# KiCad board PSEC5_Ctrl_Board.kicad_pcb (continued)
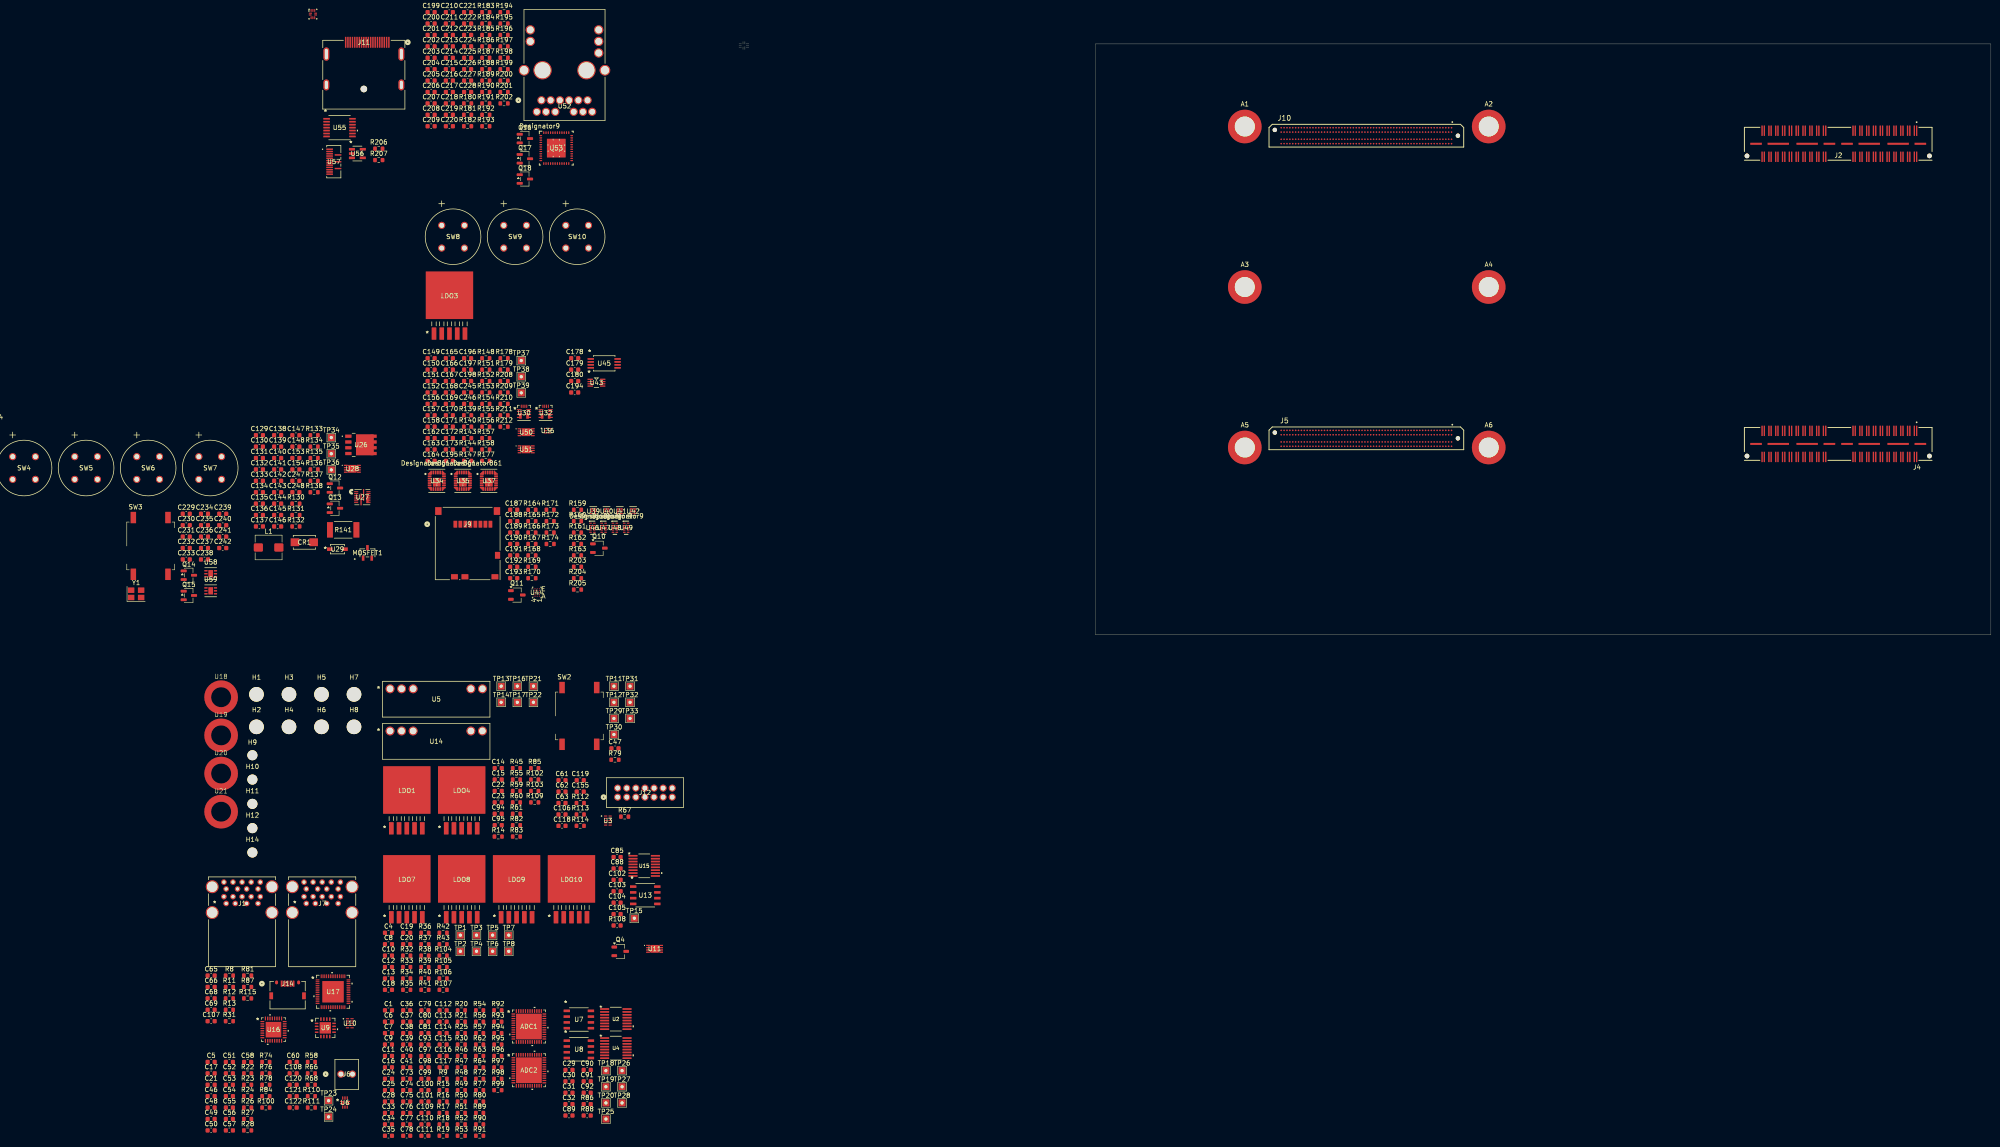
[diagram p0: board, top side]
## Placement (name value [footprint] x y rotation side) (continued)
R156  100k  [R_0603_1608Metric]  -134.05 45.78 0 top
R157  200k  [R_0603_1608Metric]  -134.05 43.27 0 top
R158  44,2k  [R_0603_1608Metric]  -134.05 40.76 0 top
R159  DNP  [R_0603_1608Metric]  -113.89 27.49 0 top
R160  DNP  [R_0603_1608Metric]  -113.89 24.98 0 top
R161  10k  [R_0603_1608Metric]  -113.89 22.47 0 top
R162  8.06k  [R_0603_1608Metric]  -113.89 19.96 0 top
R163  10k  [R_0603_1608Metric]  -113.89 17.45 0 top
R164  4.7k  [R_0603_1608Metric]  -123.91 27.49 0 top
R165  10k  [R_0603_1608Metric]  -123.91 24.98 0 top
R166  10k  [R_0603_1608Metric]  -123.91 22.47 0 top
R167  1k  [R_0603_1608Metric]  -123.91 19.96 0 top
R168  10k  [R_0603_1608Metric]  -123.91 17.45 0 top
R169  30R  [R_0603_1608Metric]  -123.91 14.94 0 top
R170  30R  [R_0603_1608Metric]  -123.91 12.43 0 top
R171  30R  [R_0603_1608Metric]  -119.9 27.49 0 top
R172  30R  [R_0603_1608Metric]  -119.9 24.98 0 top
R173  30R  [R_0603_1608Metric]  -119.9 22.47 0 top
R174  30R  [R_0603_1608Metric]  -119.9 19.96 0 top
R177  10k  [R_0603_1608Metric]  -134.05 38.25 0 top
R178  100k  [R_0603_1608Metric]  -130.04 60.84 0 top
R179  100k  [R_0603_1608Metric]  -130.04 58.33 0 top
R180  10k  [R_0603_1608Metric]  -138.06 116.93 0 top
R181  4.7k  [R_0603_1608Metric]  -138.06 114.42 0 top
R182  4.7k  [R_0603_1608Metric]  -138.06 111.91 0 top
R183  4.7k  [R_0603_1608Metric]  -134.05 137.01 0 top
R184  11k  [R_0603_1608Metric]  -134.05 134.5 0 top
R185  DNP  [R_0603_1608Metric]  -134.05 131.99 0 top
R186  DNP  [R_0603_1608Metric]  -134.05 129.48 0 top
R187  DNP  [R_0603_1608Metric]  -134.05 126.97 0 top
R188  DNP  [R_0603_1608Metric]  -134.05 124.46 0 top
R189  DNP  [R_0603_1608Metric]  -134.05 121.95 0 top
R190  5.76k  [R_0603_1608Metric]  -134.05 119.44 0 top
R191  DNP  [R_0603_1608Metric]  -134.05 116.93 0 top
R192  10k  [R_0603_1608Metric]  -134.05 114.42 0 top
R193  DNP  [R_0603_1608Metric]  -134.05 111.91 0 top
R194  DNP  [R_0603_1608Metric]  -130.04 137.01 0 top
R195  DNP  [R_0603_1608Metric]  -130.04 134.5 0 top
R196  DNP  [R_0603_1608Metric]  -130.04 131.99 0 top
R197  DNP  [R_0603_1608Metric]  -130.04 129.48 0 top
R198  2.49k  [R_0603_1608Metric]  -130.04 126.97 0 top
R199  DNP  [R_0603_1608Metric]  -130.04 124.46 0 top
R200  2.49k  [R_0603_1608Metric]  -130.04 121.95 0 top
R201  2.21k  [R_0603_1608Metric]  -130.04 119.44 0 top
R202  2.21k  [R_0603_1608Metric]  -130.04 116.93 0 top
R203  DNP  [R_0603_1608Metric]  -113.89 14.94 0 top
R204  10k  [R_0603_1608Metric]  -113.89 12.43 0 top
R205  3.01k  [R_0603_1608Metric]  -113.89 9.92 0 top
R206  1M  [R_0603_1608Metric]  -157.6 106.97 0 top
R207  1M  [R_0603_1608Metric]  -157.6 104.46 0 top
R208  26.1k  [R_0603_1608Metric]  -130.04 55.82 0 top
R209  10.0k  [R_0603_1608Metric]  -130.04 53.31 0 top
R210  10k  [R_0603_1608Metric]  -130.04 50.8 0 top
R211  100k  [R_0603_1608Metric]  -130.04 48.29 0 top
R212  100k  [R_0603_1608Metric]  -130.04 45.78 0 top
SW2  SW_MEC_5G  [SW_MEC_5GSH9]  -113.48 -17.89 0 top
SW3  SW_MEC_5G  [SW_MEC_5GSH9]  -207.77 19.53 0 top
SW4  D6R90F2LFS  [D6R90_CNK]  -238.12 39.18 0 top
SW5  D6R90F2LFS  [D6R90_CNK]  -224.48 39.18 0 top
SW6  D6R90F2LFS  [D6R90_CNK]  -210.83 39.18 0 top
SW7  D6R90F2LFS  [D6R90_CNK]  -197.18 39.18 0 top
SW8  D6R90F2LFS  [D6R90_CNK]  -143.76 90.09 0 top
SW9  D6R90F2LFS  [D6R90_CNK]  -130.12 90.09 0 top
SW10  D6R90F2LFS  [D6R90_CNK]  -116.47 90.09 0 top
TP1  GND  [TestPoint_THTPad_1.5x1.5mm_Drill0.7mm]  -139.66 -66.14 0 top
TP2  3V3_DUT  [TestPoint_THTPad_1.5x1.5mm_Drill0.7mm]  -139.66 -69.69 0 top
TP3  GND  [TestPoint_THTPad_1.5x1.5mm_Drill0.7mm]  -136.11 -66.14 0 top
TP4  2V5_DUT  [TestPoint_THTPad_1.5x1.5mm_Drill0.7mm]  -136.11 -69.69 0 top
TP5  GND  [TestPoint_THTPad_1.5x1.5mm_Drill0.7mm]  -132.56 -66.14 0 top
TP6  1V8_DUT  [TestPoint_THTPad_1.5x1.5mm_Drill0.7mm]  -132.56 -69.69 0 top
TP7  GND  [TestPoint_THTPad_1.5x1.5mm_Drill0.7mm]  -129.01 -66.14 0 top
TP8  1V2_DUT  [TestPoint_THTPad_1.5x1.5mm_Drill0.7mm]  -129.01 -69.69 0 top
TP11  SHUTDOWN  [TestPoint_THTPad_1.5x1.5mm_Drill0.7mm]  -105.88 -11.34 0 top
TP12  PS_ERROR_OUT_M2C  [TestPoint_THTPad_1.5x1.5mm_Drill0.7mm]  -105.88 -14.89 0 top
TP13  GND  [TestPoint_THTPad_1.5x1.5mm_Drill0.7mm]  -130.68 -11.34 0 top
TP14  1V8_Bank  [TestPoint_THTPad_1.5x1.5mm_Drill0.7mm]  -130.68 -14.89 0 top
TP15  SDO2  [TestPoint_THTPad_1.5x1.5mm_Drill0.7mm]  -101.4 -62.41 0 top
TP16  1V8_Bank  [TestPoint_THTPad_1.5x1.5mm_Drill0.7mm]  -127.13 -11.34 0 top
TP17  GND  [TestPoint_THTPad_1.5x1.5mm_Drill0.7mm]  -127.13 -14.89 0 top
TP18  DAC_THRES1_OUT  [TestPoint_THTPad_1.5x1.5mm_Drill0.7mm]  -107.64 -95.96 0 top
TP19  SDO2  [TestPoint_THTPad_1.5x1.5mm_Drill0.7mm]  -107.64 -99.51 0 top
TP20  SDO2  [TestPoint_THTPad_1.5x1.5mm_Drill0.7mm]  -107.64 -103.06 0 top
TP21  1V8_Bank  [TestPoint_THTPad_1.5x1.5mm_Drill0.7mm]  -123.58 -11.34 0 top
TP22  GND  [TestPoint_THTPad_1.5x1.5mm_Drill0.7mm]  -123.58 -14.89 0 top
TP23  12V_Jack  [TestPoint_THTPad_1.5x1.5mm_Drill0.7mm]  -168.64 -102.58 0 top
TP24  12V_IN  [TestPoint_THTPad_1.5x1.5mm_Drill0.7mm]  -168.64 -106.13 0 top
TP25  DAC_DISCBIAS_OUT  [TestPoint_THTPad_1.5x1.5mm_Drill0.7mm]  -107.64 -106.61 0 top
TP26  DAC_WBUFBIAS_OUT  [TestPoint_THTPad_1.5x1.5mm_Drill0.7mm]  -104.09 -95.96 0 top
TP27  DAC_READBIAS1_OUT  [TestPoint_THTPad_1.5x1.5mm_Drill0.7mm]  -104.09 -99.51 0 top
TP28  DAC_READBIAS2_OUT  [TestPoint_THTPad_1.5x1.5mm_Drill0.7mm]  -104.09 -103.06 0 top
TP29  PS_ERROR_STATUS_M2C  [TestPoint_THTPad_1.5x1.5mm_Drill0.7mm]  -105.88 -18.44 0 top
TP30  PWROFF_C2M_L  [TestPoint_THTPad_1.5x1.5mm_Drill0.7mm]  -105.88 -21.99 0 top
TP31  PWRGD_FPD_M2C  [TestPoint_THTPad_1.5x1.5mm_Drill0.7mm]  -102.33 -11.34 0 top
TP32  PWRGD_LPD_M2C  [TestPoint_THTPad_1.5x1.5mm_Drill0.7mm]  -102.33 -14.89 0 top
TP33  PWRGD_PL_M2C  [TestPoint_THTPad_1.5x1.5mm_Drill0.7mm]  -102.33 -18.44 0 top
TP34  5V0_IN  [TestPoint_THTPad_1.5x1.5mm_Drill0.7mm]  -168.04 43.38 0 top
TP35  UTIL_3V3  [TestPoint_THTPad_1.5x1.5mm_Drill0.7mm]  -168.04 39.83 0 top
TP36  5V0_SOM  [TestPoint_THTPad_1.5x1.5mm_Drill0.7mm]  -168.04 36.28 0 top
TP37  ETH_PGOOD  [TestPoint_THTPad_1.5x1.5mm_Drill0.7mm]  -126.26 60.32 0 top
TP38  CC_PL_PGOOD  [TestPoint_THTPad_1.5x1.5mm_Drill0.7mm]  -126.26 56.77 0 top
TP39  CC_PS_PGOOD  [TestPoint_THTPad_1.5x1.5mm_Drill0.7mm]  -126.26 53.22 0 top
U1  SN74AVC2T245RSWR  [RSW0010A]  -166 60.07 90 bottom
U2  LTC2600CGN_PBF  [SSOP-16_GN]  -105.46 -84.62 0 top
U3  PUSB3FR4Z  [U_PUSB3FR4Z_NEX]  -107.21 -40.92 0 top
U4  LTC2600CGN_PBF  [SSOP-16_GN]  -105.46 -91 0 top
U5  OKX-T/5-D12N-C  [OKX-T&slash_5-D12N-C_MUR]  -155.12 -11.92 0 top
U6  MP5016HGQH-Z  [QFN-10_MP5016H_MNP]  -165.03 -102.99 0 top
U7  MCP1501-25E/SN  [SOIC8_NARROW_SN_MCH]  -113.59 -84.71 0 top
U8  MCP1501-25E/SN  [SOIC8_NARROW_SN_MCH]  -113.59 -91.27 0 top
U9  FT230XQ-R  [QFN-16_FTD]  -169.36 -86.53 0 top
U10  PUSB3FR4Z  [U_PUSB3FR4Z_NEX]  -163.98 -85.53 0 top
U11  MP8904DD-LF-Z  [QFN8_MNP]  -96.94 -69.15 0 top
U13  MCP1501-25E/SN  [SOIC8_NARROW_SN_MCH]  -98.99 -57.36 0 top
U14  OKX-T/5-D12N-C  [OKX-T&slash_5-D12N-C_MUR]  -155.12 -21.2 0 top
U15  LTC2600CGN_PBF  [SSOP-16_GN]  -99.22 -50.89 0 top
U16  USB3320C-EZK-TR  [QFN32_5X5MC_MCH]  -180.76 -86.93 0 top
U17  USB5744/2G  [VQFN56_2G_MCH]  -167.67 -78.59 0 top
U18  ~  [9774050360R]  -192.28 -13.76 0 top
U19  ~  [9774050360R]  -192.28 -22.16 0 top
U20  ~  [9774050360R]  -192.28 -30.56 0 top
U21  ~  [9774050360R]  -192.28 -38.96 0 top
U26  CSD18532Q5B  [DNK8]  -161.53 41.77 0 top
U27  MP8772GQ-Z  [QFN-16_MP8772GQ-P_MNP]  -161.22 30.26 0 top
U28  MP8904DD-LF-Z  [QFN8_MNP]  -163.41 36.51 0 top
U29  MMSD4148T1G  [SOD-123_ONS]  -166.7 18.81 0 top
U30  MPM3810AGQB-AEC1-Z  [QFN-12_MPM3810_MNP]  -125.66 48.81 0 top
U32  MPM3810AGQB-AEC1-Z  [QFN-12_MPM3810_MNP]  -120.9 48.81 0 top
U34  TPSM82866AA0SRDJR  [RDJ0023A-SMD-MFG]  -144.84 33.87 0 top
U35  TPSM82866AA0SRDJR  [RDJ0023A-SMD-MFG]  -139.11 33.87 0 top
U36  NC7WZ07L6X  [MICROPAK6_1X1P45_ONS]  -120.47 44.89 0 top
U37  TPSM82866AA0SRDJR  [RDJ0023A-SMD-MFG]  -133.39 33.87 0 top
U39  TPD4S012DRYR  [DRY6]  -110.43 27.16 0 top
U40  TPD4S012DRYR  [DRY6]  -107.51 27.16 0 top
U41  TPD4S012DRYR  [DRY6]  -104.59 27.16 0 top
U42  TPD4S012DRYR  [DRY6]  -101.67 27.16 0 top
U43  PCA9306DCUR  [DCU8]  -109.72 55.46 0 top
U44  PI4ULS3V4857GEAEX  [BGA20_WLCSP_PI4ULS3V4857_DIO]  -122.85 9.28 0 top
U45  M24C64-DRDW8TP/K  [TSSOP8_4P5X3P1X0P65_STM]  -108.02 59.71 0 top  (not fitted)
U46  TPD4E05U06DQAR  [DQA0010A]  -110.61 23.53 0 top
U47  TPD4E05U06DQAR  [DQA0010A]  -108.14 23.53 0 top
U48  TPD4E05U06DQAR  [DQA0010A]  -105.66 23.53 0 top
U49  TPD4E05U06DQAR  [DQA0010A]  -103.19 23.53 0 top
U50  MP8904DD-LF-Z  [QFN8_MNP]  -125.18 44.56 0 top
U51  MP8904DD-LF-Z  [QFN8_MNP]  -125.18 40.79 0 top
U52  L829-1J1T-43  [L829-1J1T-43_BEL]  -121.82 117.62 0 top
U53  DP83867CRRGZR  [RGZ0048B]  -118.56 107.09 0 top
U54  SN74AVC2T245RSWR  [RSW0010A]  -241.7 47.89 0 top
U55  FIN1019MTCX  [TSSOP14_4P4X5_ONS]  -166.23 111.6 0 top
U56  STMPS2151STR  [SOT23-5L_STM]  -162.31 105.89 0 top
U57  TPD8S009DSMR  [DSM15_X]  -167.49 104.09 0 top
U58  TPS3808G01QDRVRQ1  [DRV6_1P6X1]  -194.57 13.42 0 top
U59  TPS3808G01QDRVRQ1  [DRV6_1P6X1]  -194.57 9.65 0 top
Y1  ABM8AIG-27.000MHZ-12-2Z-T3  [Crystal_SMD_Abracon_ABM8AIG-4Pin_3.2x2.5mm]  -210.97 8.98 0 top

## Library data of the parts
A1-A6 = -: Datasheet: https://www.we-online.com/catalog/datasheet/9774050960R.pdf?ki; Description: SMT Steel Spacer with through hole Ø 3.3; Manufacturer: Wurth Elektronik; Manufacturer URL: https://www.we-online.com; Created Date: 20251217; Series: WA-SMST; Mounting Technology: SMT; L (mm): 5.0; Ø f (mm): 3.3; Ø ID (mm): 4.2; Ø OD (mm): 6.0; ki_fp_filters: *WA-SMST*9774050960R*
ADC1 ADC2 = -: ki_fp_filters: CP_48_8_ADI CP_48_8_ADI-M CP_48_8_ADI-L
C1 C4-C25 C28-C32 C41 C46-C58 C60-C63 C73-C81 C85 C88 C89 C91-C95 C97-C103 C105 C106 C108-C122 C129-C158 C162-C173 C178-C180 C187-C242 C245-C248 = -: Description: Unpolarized capacitor, small symbol; KiLib_Generator: SMD_2terminal_chip_molded; ki_fp_filters: C_*
C33-C40 C65 C66 C68 C69 C90 C104 C107 = -: Description: Unpolarized capacitor; KiLib_Generator: SMD_2terminal_chip_molded; ki_fp_filters: C_*
CR1 = -: ki_fp_filters: DO214AC_LTF DO214AC_LTF-M DO214AC_LTF-L
H1-H12 H14 = -: Description: Mounting Hole without connection; KiLib_Generator: mounting_hardware/mounting_hole; ki_fp_filters: MountingHole*
J1 J7 = -: ki_fp_filters: GSB311231HR_AMP
J2 J4 = -: PARTREV: M; STANDARD: Manufacturer Recommendations; MAXIMUM_PACKAGE_HEIGHT: 3.327mm; MANUFACTURER: Samtec
J5 J10 = -: PARTREV: 7; MANUFACTURER: Samtec; MAXIMUM_PACKAGE_HEIGHT: 4.1mm; STANDARD: Manufacturer Recommendations
J6 = -: Datasheet: https://www.molex.com/en-us/products/part-detail-pdf/22112022?display=pdf; ki_fp_filters: CONN_A-6373-02A_MOL
J9 = -: Datasheet: https://www.molex.com/en-us/products/part-detail-pdf/5025700893?display=pdf; ki_fp_filters: 502570-0893_MOL
J11 = -: Datasheet: https://www.molex.com/en-us/products/part-detail-pdf/472720001?display=pdf; ki_fp_filters: CONN_47272-0001_MOL
J12 = -: ki_fp_filters: CONN_87831-1420_MOL
J14 = -: ki_fp_filters: ZX62D-B-5P830_HIR
L1 = -: Description: Inductor; KiLib_Generator: inductor/SMD; ki_fp_filters: Choke_* *Coil* Inductor_* L_*
LDO1 LDO3 LDO4 LDO7-LDO10 = -: ki_fp_filters: TS5B TS5B-M TS5B-L
MOSFET1 = -: ki_fp_filters: SOT23_527AG_ONS SOT23_527AG_ONS-M SOT23_527AG_ONS-L
Q4 Q10 Q11 = -: Datasheet: https://ngspice.sourceforge.io/docs/ngspice-html-manual/manual.xhtml#cha_MOSFETs; Description: N-MOSFET transistor, drain/source/gate; Sim.Device: NMOS; Sim.Type: VDMOS; Sim.Pins: 1=D 2=G 3=S
Q12-Q18 = -: Description: N-MOSFET transistor, gate/source/drain; KiLib_Generator: package/gullwing
R8 R9 R11-R28 R30 R32-R43 R45-R55 R58-R64 R66-R68 R72 R74 R76-R80 R82-R85 R89-R100 R102-R107 R109-R115 R130-R140 R143 R144 R147 R148 R151-R174 R177-R212 = -: Description: Resistor, small US symbol; KiLib_Generator: SMD_2terminal_chip_molded; ki_fp_filters: R_*
R31 R56 R57 R81 R86-R88 R108 = -: Description: Resistor, US symbol; KiLib_Generator: SMD_2terminal_chip_molded; ki_fp_filters: R_*
R141 = -: Description: Resistor, small US symbol; ki_fp_filters: R_*
SW2 SW3 = -: Datasheet: http://www.apem.com/int/index.php?controller=attachment&id_attachment=488; Description: MEC 5G single pole normally-open tactile switch; ki_fp_filters: SW*MEC*5G*
SW4-SW10 = -: ki_fp_filters: D6R90_CNK
TP1-TP8 TP11-TP39 = -: Description: test point; ki_fp_filters: Pin* Test*
U1 U54 = -: Datasheet: https://www.ti.com/lit/gpn/sn74avc2t245; ki_fp_filters: RSW0010A
U2 U4 U15 = -: MF: Analog Devices; VENDOR: Linear Technology; Description_1: Linear Technology Ltc2600cgn#Pbf / Ic Dac Octal r-r 16bit 16ssop; Package: SSOP-16 Linear Technology; Price: None; Check_prices: https://www.snapeda.com/parts/LTC2600CGN%23PBF/Analog+Devices/view-part/?ref=eda; SnapEDA_Link: https://www.snapeda.com/parts/LTC2600CGN%23PBF/Analog+Devices/view-part/?ref=snap; MP: LTC2600CGN#PBF; Availability: In Stock; MANUFACTURER_PART_NUMBER: ltc2600cgn
U3 U10 = -: ki_fp_filters: U_PUSB3FR4Z_NEX U_PUSB3FR4Z_NEX-M U_PUSB3FR4Z_NEX-L
U5 U14 = -: ki_fp_filters: OKX-T/5-D12N-C_MUR
U6 = -: Datasheet: https://www.monolithicpower.com/en/documentview/productdocument/index/version/2/document_type/Datasheet/lang/en/sku/MP5016HGQH-Z; ki_fp_filters: QFN-10_MP5016H_MNP
U7 U8 U13 = -: ki_fp_filters: SOIC8_NARROW_SN_MCH SOIC8_NARROW_SN_MCH-M SOIC8_NARROW_SN_MCH-L
U9 = -: ki_fp_filters: QFN-16_FTD QFN-16_FTD-M QFN-16_FTD-L
U11 U28 U50 U51 = -: Datasheet: https://www.monolithicpower.com/en/documentview/productdocument/index/version/2/document_type/Datasheet/lang/en/sku/MP8904DD; ki_fp_filters: QFN8_MNP QFN8_MNP-M QFN8_MNP-L
U16 = -: ki_fp_filters: QFN32_5X5MC_MCH QFN32_5X5MC_MCH-M QFN32_5X5MC_MCH-L
U17 = -: ki_fp_filters: VQFN56_2G_MCH VQFN56_2G_MCH-M VQFN56_2G_MCH-L
U26 = -: Datasheet: https://www.ti.com/lit/gpn/csd18532q5b; ki_fp_filters: DNK8
U27 = -: Datasheet: https://www.monolithicpower.com/en/documentview/productdocument/index/version/2/document_type/Datasheet/lang/en/sku/MP8772GQ; ki_fp_filters: QFN-16_MP8772GQ-P_MNP
U29 = -: ki_fp_filters: SOD-123_ONS SOD-123_ONS-M SOD-123_ONS-L
U30 U32 = -: Datasheet: https://www.monolithicpower.com/en/documentview/productdocument/index/version/2/document_type/Datasheet/lang/en/sku/MPM3810AGQB-AEC1; ki_fp_filters: QFN-12_MPM3810_MNP
U34 U35 U37 = -: Datasheet: https://www.ti.com/lit/gpn/tpsm82866a; ki_fp_filters: RDJ0023A-MFG RDJ0023A-SMD-MFG
U36 = -: ki_fp_filters: MICROPAK6_1X1P45_ONS MICROPAK6_1X1P45_ONS-M MICROPAK6_1X1P45_ONS-L
U39-U42 = -: Datasheet: https://www.ti.com/lit/gpn/tpd4s012; ki_fp_filters: DRY6
U43 = -: Datasheet: https://www.ti.com/lit/gpn/pca9306; ki_fp_filters: DCU8 DCU8-M DCU8-L
U44 = -: ki_fp_filters: BGA20_WLCSP_PI4ULS3V4857_DIO BGA20_WLCSP_PI4ULS3V4857_DIO-M BGA20_WLCSP_PI4ULS3V4857_DIO-L
U45 = -: Datasheet: https://www.st.com/resource/en/datasheet/m24c64-dre.pdf; ki_fp_filters: TSSOP8_4P5X3P1X0P65_STM TSSOP8_4P5X3P1X0P65_STM-M TSSOP8_4P5X3P1X0P65_STM-L
U46-U49 = -: Datasheet: https://www.ti.com/lit/gpn/tpd4e05u06; ki_fp_filters: DQA0010A
U52 = -: ki_fp_filters: L829-1J1T-43_BEL
U53 = -: Datasheet: https://www.ti.com/lit/gpn/dp83867cr; ki_fp_filters: RGZ0048B RGZ0048B_NV
U55 = -: ki_fp_filters: TSSOP14_4P4X5_ONS TSSOP14_4P4X5_ONS-M TSSOP14_4P4X5_ONS-L
U56 = -: Datasheet: https://www.st.com/resource/en/datasheet/stmps2141.pdf; ki_fp_filters: SOT23-5L_STM SOT23-5L_STM-M SOT23-5L_STM-L
U57 = -: Datasheet: https://www.ti.com/lit/gpn/tpd8s009; ki_fp_filters: DSM15_X
U58 U59 = -: ki_fp_filters: DRV6_1P6X1
Y1 = -: PARTREV: 43629; STANDARD: Manufacturer Recommendations; MAXIMUM_PACKAGE_HEIGHT: 0.8 mm; MANUFACTURER: Abracon

## Footprints (pads in the part's own frame, mm; a bottom-side part is the same pattern mirrored in y, then rotated)
502570-0893_MOL
  rect 0.813x1.499 smd: 1(-2.7,4.249) 2(-1.6,4.249) 3(-0.5,4.249) 4(0.6,4.249) 5(1.7,4.249) 6(2.8,4.249) 7(3.9,4.249) 8(5,4.249)
  rect 1.143x1.499 smd: 9(6.575,-2.601)
  rect 1.499x1.143 smd: 10(-0.6,-7.326) 13(-2.9,-7.326) 14(6,-7.326)
  rect 1.397x1.702 smd: 11(-6.45,7.149) 12(6.45,7.149)
A_Wurth_WA-SMST_9774050960R
  round 4.4 hole 4.4 unplated: (0,0)
  rrect 7.4x7.4 smd: 1(0,0)
BGA20_WLCSP_PI4ULS3V4857_DIO
  round 0.203 smd: A1(0.6,-0.8) A2(0.2,-0.8) A3(-0.2,-0.8) A4(-0.6,-0.8) B1(0.6,-0.4) B2(0.2,-0.4) B3(-0.2,-0.4) B4(-0.6,-0.4) C1(0.6,0) C2(0.2,0) C3(-0.2,0) C4(-0.6,0) D1(0.6,0.4) D2(0.2,0.4) D3(-0.2,0.4) D4(-0.6,0.4) E1(0.6,0.8) E2(0.2,0.8) E3(-0.2,0.8) E4(-0.6,0.8)
C_0603_1608Metric
  rrect 0.9x0.95 smd: 1(-0.775,0) 2(0.775,0)
CONN_47272-0001_MOL
  oval 1.27x2.921 hole 0.66x2.311 unplated: (-8.25,-9.732) (8.25,-9.732)
  oval 1.27x2.413 hole 0.66x1.803 unplated: (-8.25,-16.512) (8.25,-16.512)
  round 1.448 hole 1.448 unplated: (0,-17.412)
  rect 0.305x2.388 smd: 1(5.5,-7.132) 2(5,-7.132) 3(4.5,-7.132) 4(4,-7.132) 5(3.5,-7.132) 6(3,-7.132) 7(2.5,-7.132) 8(2,-7.132) 9(1.5,-7.132) 10(1,-7.132) 11(0.5,-7.132) 12(0,-7.132) 13(-0.5,-7.132) 14(-1,-7.132) 15(-1.5,-7.132) 16(-2,-7.132) 17(-2.5,-7.132) 18(-3,-7.132) 19(-3.5,-7.132) 20(-4,-7.132)
CONN_87831-1420_MOL
  round 1.549 hole 1.041: 1(0,0) 2(0,2) 3(2,0) 4(2,2) 5(4,0) 6(4,2) 7(6,0) 8(6,2) 9(8,0) 10(8,2) 11(10,0) 12(10,2) 13(12,0) 14(12,2)
CONN_A-6373-02A_MOL
  round 1.575 hole 1.067: 1(0,0) 2(2.54,0)
CP_48_8_ADI
  rect 0.813x0.254 smd: 1(-3.404,2.75) 2(-3.404,2.25) 3(-3.404,1.75) 4(-3.404,1.25) 5(-3.404,0.75) 6(-3.404,0.25) 7(-3.404,-0.25) 8(-3.404,-0.75) 9(-3.404,-1.25) 10(-3.404,-1.75) 11(-3.404,-2.25) 12(-3.404,-2.75) 25(3.404,-2.75) 26(3.404,-2.25) 27(3.404,-1.75) 28(3.404,-1.25) 29(3.404,-0.75) 30(3.404,-0.25) 31(3.404,0.25) 32(3.404,0.75) 33(3.404,1.25) 34(3.404,1.75) 35(3.404,2.25) 36(3.404,2.75)
  rect 0.254x0.813 smd: 13(-2.75,-3.404) 14(-2.25,-3.404) 15(-1.75,-3.404) 16(-1.25,-3.404) 17(-0.75,-3.404) 18(-0.25,-3.404) 19(0.25,-3.404) 20(0.75,-3.404) 21(1.25,-3.404) 22(1.75,-3.404) 23(2.25,-3.404) 24(2.75,-3.404) 37(2.75,3.404) 38(2.25,3.404) 39(1.75,3.404) 40(1.25,3.404) 41(0.75,3.404) 42(0.25,3.404) 43(-0.25,3.404) 44(-0.75,3.404) 45(-1.25,3.404) 46(-1.75,3.404) 47(-2.25,3.404) 48(-2.75,3.404)
  rect 5.639x5.639 smd: 49(0,0)
Crystal_SMD_Abracon_ABM8AIG-4Pin_3.2x2.5mm
  rect 1.4x1.2 smd: 1(-1.1,-0.8) 2(1.1,-0.8) 3(1.1,0.8) 4(-1.1,0.8)
D6R90_CNK
  round 1.575 hole 1.067: 1(0,0) 2(5,0) 3(5,-5) 4(0,-5)
DCU8
  rect 1.168x0.254 smd: 1(-1.372,0.75) 2(-1.372,0.25) 3(-1.372,-0.25) 4(-1.372,-0.75) 5(1.372,-0.75) 6(1.372,-0.25) 7(1.372,0.25) 8(1.372,0.75)
DNK8
  rect 1.372x0.71 smd: 1(-2.77,1.905) 2(-2.77,0.635) 3(-2.77,-0.635) 4(-2.77,-1.905) 5(2.77,-1.905) 6(2.77,-0.635) 7(2.77,0.635) 8(2.77,1.905)
DO214AC_LTF
  rect 1.88x1.702 smd: 1(-2.057,0) 2(2.057,0)
DQA0010A
  rect 0.55x0.2 smd: 1(-0.425,1) 2(-0.425,0.5) 4(-0.425,-0.5) 5(-0.425,-1) 6(0.425,-1) 7(0.425,-0.5) 9(0.425,0.5) 10(0.425,1)
  rect 0.55x0.4 smd: 3(-0.425,0) 8(0.425,0)
DRV6_1P6X1
  rect 0.7x0.3 smd: 1(-1.05,0.65) 2(-1.05,0) 3(-1.05,-0.65) 4(1.05,-0.65) 5(1.05,0) 6(1.05,0.65)
  rect 1.016x1.6 smd: 7(0,0)
DRY6
  rect 0.55x0.3 smd: 1(-0.355,0.5)
  rect 0.52x0.3 smd: 2(-0.37,0) 3(-0.37,-0.5) 4(0.37,-0.5) 5(0.37,0) 6(0.37,0.5)
DSM15_X
  rect 1.45x0.3 smd: 1(-0.925,2.75) 2(-0.925,2.25) 3(-0.925,1.75) 4(-0.925,1.25) 5(-0.925,0.75) 6(-0.925,0.25) 7(-0.925,-0.25) 8(-0.925,-0.75) 9(-0.925,-1.25) 10(-0.925,-1.75) 11(-0.925,-2.25) 12(-0.925,-2.75) 13(0.925,-1.5) 14(0.925,0) 15(0.925,1.5)
GSB311231HR_AMP
  round 1.219 hole 0.711: 1(0,0) 2(2,0) 3(4.5,0) 4(7,0) 5(7.5,1.5) 6(5.5,1.5) 7(3.5,1.5) 8(1.5,1.5) 9(-0.5,1.5) 10(0,3.2) 11(2.5,3.2) 12(4.5,3.2) 13(7,3.2) 14(7.5,4.7) 15(5.5,4.7) 16(3.5,4.7) 17(1.5,4.7) 18(-0.5,4.7)
  round 2.819 hole 2.311: 19(-3.07,-2) 20(10.07,-2) 21(-3.07,3.68) 22(10.07,3.68)
L829-1J1T-43_BEL
  round 1.778 hole 1.27: 1(0,0) 2(2.03,0) 3(4.06,0) 4(6.09,0) 5(8.12,0) 6(10.15,0) 7(-1.016,-2.54) 8(1.014,-2.54) 9(3.044,-2.54) 10(7.104,-2.54) 11(9.134,-2.54) 12(11.164,-2.54)
  round 2.032 hole 1.524: 13(-2.444,12.954) 14(-2.444,15.494) 15(12.592,10.414) 16(12.592,12.954) 17(12.592,15.494)
  round 4.013 hole 3.505: 18(0.248,6.604) 19(9.9,6.604)
  round 2.337 hole 1.829: 20(-3.816,6.604) 21(13.964,6.604)
L_Bourns_SRP5030T
  rrect 2x1.8 smd: 1(-2.25,0) 2(2.25,0)
MICROPAK6_1X1P45_ONS
  rect 0.711x0.203 smd: 1(-0.445,0.5) 2(-0.445,0) 3(-0.445,-0.5) 4(0.445,-0.5) 5(0.445,0) 6(0.445,0.5)
MountingHole_2.2mm_M2_DIN965
  round 2.2 hole 2.2 unplated: (0,0)
MountingHole_3.2mm_M3_DIN965
  round 3.2 hole 3.2 unplated: (0,0)
OKX-T&slash_5-D12N-C_MUR
  round 1.956 hole 1.448: 1(0,0) 2(2.54,0) 3(5.08,0) 4(17.78,0) 5(20.32,0)
QFN8_MNP
  rect 0.813x0.254 smd: 1(-1.448,0.75) 2(-1.448,0.25) 3(-1.448,-0.25) 4(-1.448,-0.75) 5(1.448,-0.75) 6(1.448,-0.25) 7(1.448,0.25) 8(1.448,0.75)
  rect 1.854x1.702 smd: 9(0,0)
QFN32_5X5MC_MCH
  rect 0.813x0.254 smd: 1(-2.451,1.778) 2(-2.451,1.27) 3(-2.451,0.762) 4(-2.451,0.254) 5(-2.451,-0.254) 6(-2.451,-0.762) 7(-2.451,-1.27) 8(-2.451,-1.778) 17(2.451,-1.778) 18(2.451,-1.27) 19(2.451,-0.762) 20(2.451,-0.254) 21(2.451,0.254) 22(2.451,0.762) 23(2.451,1.27) 24(2.451,1.778)
  rect 0.254x0.813 smd: 9(-1.778,-2.451) 10(-1.27,-2.451) 11(-0.762,-2.451) 12(-0.254,-2.451) 13(0.254,-2.451) 14(0.762,-2.451) 15(1.27,-2.451) 16(1.778,-2.451) 25(1.778,2.451) 26(1.27,2.451) 27(0.762,2.451) 28(0.254,2.451) 29(-0.254,2.451) 30(-0.762,2.451) 31(-1.27,2.451) 32(-1.778,2.451)
  rect 3.404x3.404 smd: 33(0,0)
QFN-10_MP5016H_MNP
  rect 0.127x0.127 smd: 1(-0.65,0.25) 2(-0.65,-0.25) 6(0.65,-0.25) 7(0.65,0.25)
  rect 0.25x0.7 smd: 3(-0.5,-1) 4(0,-1) 5(0.5,-1) 8(0.5,1) 9(0,1) 10(-0.5,1)
QFN-12_MPM3810_MNP
  rect 0.127x0.127 smd: 1(-1.025,0.7) 3(-1.025,-0.35) 4(-1.025,-1) 5(1.025,-1) 6(1.025,-0.35)
  rect 1.05x0.2 smd: 2(-1.025,0.3) 7(1.025,0.3) 8(1.025,0.7)
  rect 0.2x0.7 smd: 9(0.6,1.45) 10(0.2,1.45) 11(-0.2,1.45) 12(-0.6,1.45)
QFN-16_FTD
  rect 0.762x0.305 smd: 1(-1.918,0.975) 2(-1.918,0.325) 3(-1.918,-0.325) 4(-1.918,-0.975) 9(1.918,-0.975) 10(1.918,-0.325) 11(1.918,0.325) 12(1.918,0.975)
  rect 0.305x0.762 smd: 5(-0.975,-1.918) 6(-0.325,-1.918) 7(0.325,-1.918) 8(0.975,-1.918) 13(0.975,1.918) 14(0.325,1.918) 15(-0.325,1.918) 16(-0.975,1.918)
  rect 2.489x2.489 smd: 17(0,0)
QFN-16_MP8772GQ-P_MNP
  rect 0.889x0.203 smd: 1(-1.35,1.2) 2(-1.35,0.8) 3(-1.35,0.4) 4(-1.35,0) 5(-1.35,-0.4) 6(-1.35,-0.8) 7(-1.35,-1.2) 9(1.35,-1.2) 10(1.35,-0.8) 11(1.35,-0.4) 12(1.35,0) 13(1.35,0.4) 14(1.35,0.8) 15(1.35,1.2)
  rect 0.254x2.591 smd: 8(-0.275,-0.495) 16(0.275,0.495)
R_0603_1608Metric
  rrect 0.8x0.95 smd: 1(-0.825,0) 2(0.825,0)
RDJ0023A-SMD-MFG
  round 0.506 smd: 1(-1.356,1.606) 7(-1.356,-1.606) 12(1.356,-1.606) 18(1.356,1.606)
  rect 0.8x0.35 smd: 2(-1.575,1) 3(-1.575,0.5) 4(-1.575,0) 5(-1.575,-0.5) 6(-1.575,-1) 13(1.575,-1) 14(1.575,-0.5) 15(1.575,0) 16(1.575,0.5) 17(1.575,1)
  rect 0.35x0.8 smd: 8(-0.75,-1.825) 9(-0.25,-1.825) 10(0.25,-1.825) 11(0.75,-1.825) 19(0.75,1.825) 20(0.25,1.825) 21(-0.25,1.825) 22(-0.75,1.825)
  rect 1.7x1.9 smd: 23(0,-0.3)
  round 0.5 hole 0.203: 24(0,0.35) 25(0,-0.95) 26(-0.55,-0.3) 27(0.55,-0.3)
RES_HCJ2512_STP
  rect 1.295x3.404 smd: 1(-2.908,0) 2(2.908,0)
RGZ0048B
  oval 0.6x0.24 smd: 1(-3.4,2.75) 2(-3.4,2.25) 3(-3.4,1.75) 4(-3.4,1.25) 5(-3.4,0.75) 6(-3.4,0.25) 7(-3.4,-0.25) 8(-3.4,-0.75) 9(-3.4,-1.25) 10(-3.4,-1.75) 11(-3.4,-2.25) 12(-3.4,-2.75) 25(3.4,-2.75) 26(3.4,-2.25) 27(3.4,-1.75) 28(3.4,-1.25) 29(3.4,-0.75) 30(3.4,-0.25) 31(3.4,0.25) 32(3.4,0.75) 33(3.4,1.25) 34(3.4,1.75) 35(3.4,2.25) 36(3.4,2.75)
  oval 0.24x0.6 smd: 13(-2.75,-3.4) 14(-2.25,-3.4) 15(-1.75,-3.4) 16(-1.25,-3.4) 17(-0.75,-3.4) 18(-0.25,-3.4) 19(0.25,-3.4) 20(0.75,-3.4) 21(1.25,-3.4) 22(1.75,-3.4) 23(2.25,-3.4) 24(2.75,-3.4) 37(2.75,3.4) 38(2.25,3.4) 39(1.75,3.4) 40(1.25,3.4) 41(0.75,3.4) 42(0.25,3.4) 43(-0.25,3.4) 44(-0.75,3.4) 45(-1.25,3.4) 46(-1.75,3.4) 47(-2.25,3.4) 48(-2.75,3.4)
  rect 4.1x4.1 smd: 49(0,0)
  round 0.5 hole 0.203: V(-1.8,0.678) V(-1.8,-0.678) V(-0.678,1.8) V(-0.678,0.678) V(-0.678,-0.678) V(-0.678,-1.8) V(0.678,1.8) V(0.678,0.678) V(0.678,-0.678) V(0.678,-1.8) V(1.8,0.678) V(1.8,-0.678)
RSW0010A
  rect 0.7x0.2 smd: 1(69.062,88.894)
  rect 0.6x0.2 smd: 2(69.012,88.494) 6(70.212,88.494) 7(70.212,88.894)
  rect 0.2x0.6 smd: 3(69.212,87.894) 4(69.612,87.894) 5(70.012,87.894) 8(70.012,89.494) 9(69.612,89.494) 10(69.212,89.494)
SAMTEC_ADM6-60-01.5-L-4-2-A-TR
  round 0.95 hole 0.95 unplated: (-20.135,1.27) (20.135,0)
  round 0.356 smd: A01(18.733,1.75) A02(18.098,1.75) A03(17.462,1.75) A04(16.828,1.75) A05(16.192,1.75) A06(15.557,1.75) A07(14.922,1.75) A08(14.287,1.75) A09(13.652,1.75) A10(13.018,1.75) A11(12.383,1.75) A12(11.748,1.75) A13(11.113,1.75) A14(10.477,1.75) A15(9.842,1.75) A16(9.207,1.75) A17(8.572,1.75) A18(7.938,1.75) A19(7.303,1.75) A20(6.668,1.75) A21(6.032,1.75) A22(5.397,1.75) A23(4.763,1.75) A24(4.128,1.75) A25(3.493,1.75) A26(2.857,1.75) A27(2.223,1.75) A28(1.587,1.75) A29(0.953,1.75) A30(0.318,1.75) A31(-0.318,1.75) A32(-0.953,1.75) A33(-1.587,1.75) A34(-2.223,1.75) A35(-2.857,1.75) A36(-3.493,1.75) A37(-4.128,1.75) A38(-4.763,1.75) A39(-5.397,1.75) A40(-6.032,1.75) A41(-6.668,1.75) A42(-7.303,1.75) A43(-7.938,1.75) A44(-8.572,1.75) A45(-9.207,1.75) A46(-9.842,1.75) A47(-10.477,1.75) A48(-11.113,1.75) A49(-11.748,1.75) A50(-12.383,1.75) A51(-13.018,1.75) A52(-13.652,1.75) A53(-14.287,1.75) A54(-14.922,1.75) A55(-15.557,1.75) A56(-16.192,1.75) A57(-16.828,1.75) A58(-17.462,1.75) A59(-18.098,1.75) A60(-18.733,1.75) B01(18.733,0.79) B02(18.098,0.79) B03(17.462,0.79) B04(16.828,0.79) B05(16.192,0.79) B06(15.557,0.79) B07(14.922,0.79) B08(14.287,0.79) B09(13.652,0.79) B10(13.018,0.79) B11(12.383,0.79) B12(11.748,0.79) B13(11.113,0.79) B14(10.477,0.79) B15(9.842,0.79) B16(9.207,0.79) B17(8.572,0.79) B18(7.938,0.79) B19(7.303,0.79) B20(6.668,0.79) B21(6.032,0.79) B22(5.397,0.79) B23(4.763,0.79) B24(4.128,0.79) B25(3.493,0.79) B26(2.857,0.79) B27(2.223,0.79) B28(1.587,0.79) B29(0.953,0.79) B30(0.318,0.79) B31(-0.318,0.79) B32(-0.953,0.79) B33(-1.587,0.79) B34(-2.223,0.79) B35(-2.857,0.79) B36(-3.493,0.79) B37(-4.128,0.79) B38(-4.763,0.79) B39(-5.397,0.79) B40(-6.032,0.79) B41(-6.668,0.79) B42(-7.303,0.79) B43(-7.938,0.79) B44(-8.572,0.79) B45(-9.207,0.79) B46(-9.842,0.79) B47(-10.477,0.79) B48(-11.113,0.79) B49(-11.748,0.79) B50(-12.383,0.79) B51(-13.018,0.79) B52(-13.652,0.79) B53(-14.287,0.79) B54(-14.922,0.79) B55(-15.557,0.79) B56(-16.192,0.79) B57(-16.828,0.79) B58(-17.462,0.79) B59(-18.098,0.79) B60(-18.733,0.79) C01(18.733,-0.79) C02(18.098,-0.79) C03(17.462,-0.79) C04(16.828,-0.79) C05(16.192,-0.79) C06(15.557,-0.79) C07(14.922,-0.79) C08(14.287,-0.79) C09(13.652,-0.79) C10(13.018,-0.79) C11(12.383,-0.79) C12(11.748,-0.79) C13(11.113,-0.79) C14(10.477,-0.79) C15(9.842,-0.79) C16(9.207,-0.79) C17(8.572,-0.79) C18(7.938,-0.79) C19(7.303,-0.79) C20(6.668,-0.79) C21(6.032,-0.79) C22(5.397,-0.79) C23(4.763,-0.79) C24(4.128,-0.79) C25(3.493,-0.79) C26(2.857,-0.79) C27(2.223,-0.79) C28(1.587,-0.79) C29(0.953,-0.79) C30(0.318,-0.79) C31(-0.318,-0.79) C32(-0.953,-0.79) C33(-1.587,-0.79) C34(-2.223,-0.79) C35(-2.857,-0.79) C36(-3.493,-0.79) C37(-4.128,-0.79) C38(-4.763,-0.79) C39(-5.397,-0.79) C40(-6.032,-0.79) C41(-6.668,-0.79) C42(-7.303,-0.79) C43(-7.938,-0.79) C44(-8.572,-0.79) C45(-9.207,-0.79) C46(-9.842,-0.79) C47(-10.477,-0.79) C48(-11.113,-0.79) C49(-11.748,-0.79) C50(-12.383,-0.79) C51(-13.018,-0.79) C52(-13.652,-0.79) C53(-14.287,-0.79) C54(-14.922,-0.79) C55(-15.557,-0.79) C56(-16.192,-0.79) C57(-16.828,-0.79) C58(-17.462,-0.79) C59(-18.098,-0.79) C60(-18.733,-0.79) D01(18.733,-1.75) D02(18.098,-1.75) D03(17.462,-1.75) D04(16.828,-1.75) D05(16.192,-1.75) D06(15.557,-1.75) D07(14.922,-1.75) D08(14.287,-1.75) D09(13.652,-1.75) D10(13.018,-1.75) D11(12.383,-1.75) D12(11.748,-1.75) D13(11.113,-1.75) D14(10.477,-1.75) D15(9.842,-1.75) D16(9.207,-1.75) D17(8.572,-1.75) D18(7.938,-1.75) D19(7.303,-1.75) D20(6.668,-1.75) D21(6.032,-1.75) D22(5.397,-1.75) D23(4.763,-1.75) D24(4.128,-1.75) D25(3.493,-1.75) D26(2.857,-1.75) D27(2.223,-1.75) D28(1.587,-1.75) D29(0.953,-1.75) D30(0.318,-1.75) D31(-0.318,-1.75) D32(-0.953,-1.75) D33(-1.587,-1.75) D34(-2.223,-1.75) D35(-2.857,-1.75) D36(-3.493,-1.75) D37(-4.128,-1.75) D38(-4.763,-1.75) D39(-5.397,-1.75) D40(-6.032,-1.75) D41(-6.668,-1.75) D42(-7.303,-1.75) D43(-7.938,-1.75) D44(-8.572,-1.75) D45(-9.207,-1.75) D46(-9.842,-1.75) D47(-10.477,-1.75) D48(-11.113,-1.75) D49(-11.748,-1.75) D50(-12.383,-1.75) D51(-13.018,-1.75) D52(-13.652,-1.75) D53(-14.287,-1.75) D54(-14.922,-1.75) D55(-15.557,-1.75) D56(-16.192,-1.75) D57(-16.828,-1.75) D58(-17.462,-1.75) D59(-18.098,-1.75) D60(-18.733,-1.75)
SAMTEC_QSH-040-01-X-D-DP-A
  round 1.02 hole 1.02 unplated: (-20.068,2.67) (20.068,2.67)
  rect 0.28x2.27 smd: 01(-17.25,-2.87) 02(-17.25,2.87) 03(-16.75,-2.87) 04(-16.75,2.87) 05(-15.75,-2.87) 06(-15.75,2.87) 07(-15.25,-2.87) 08(-15.25,2.87) 09(-14.25,-2.87) 10(-14.25,2.87) 11(-13.75,-2.87) 12(-13.75,2.87) 13(-12.75,-2.87) 14(-12.75,2.87) 15(-12.25,-2.87) 16(-12.25,2.87) 17(-11.25,-2.87) 18(-11.25,2.87) 19(-10.75,-2.87) 20(-10.75,2.87) 21(-9.75,-2.87) 22(-9.75,2.87) 23(-9.25,-2.87) 24(-9.25,2.87) 25(-8.25,-2.87) 26(-8.25,2.87) 27(-7.75,-2.87) 28(-7.75,2.87) 29(-6.75,-2.87) 30(-6.75,2.87) 31(-6.25,-2.87) 32(-6.25,2.87) 33(-5.25,-2.87) 34(-5.25,2.87) 35(-4.75,-2.87) 36(-4.75,2.87) 37(-3.75,-2.87) 38(-3.75,2.87) 39(-3.25,-2.87) 40(-3.25,2.87) 41(2.75,-2.87) 42(2.75,2.87) 43(3.25,-2.87) 44(3.25,2.87) 45(4.25,-2.87) 46(4.25,2.87) 47(4.75,-2.87) 48(4.75,2.87) 49(5.75,-2.87) 50(5.75,2.87) 51(6.25,-2.87) 52(6.25,2.87) 53(7.25,-2.87) 54(7.25,2.87) 55(7.75,-2.87) 56(7.75,2.87) 57(8.75,-2.87) 58(8.75,2.87) 59(9.25,-2.87) 60(9.25,2.87) 61(10.25,-2.87) 62(10.25,2.87) 63(10.75,-2.87) 64(10.75,2.87) 65(11.75,-2.87) 66(11.75,2.87) 67(12.25,-2.87) 68(12.25,2.87) 69(13.25,-2.87) 70(13.25,2.87) 71(13.75,-2.87) 72(13.75,2.87) 73(14.75,-2.87) 74(14.75,2.87) 75(15.25,-2.87) 76(15.25,2.87) 77(16.25,-2.87) 78(16.25,2.87) 79(16.75,-2.87) 80(16.75,2.87)
  rect 2.54x0.43 smd: G1(-18.07,0) G4(-1.94,0) G5(1.94,0) G8(18.07,0)
  rect 4.7x0.43 smd: G2(-13.18,0) G3(-6.83,0) G6(6.83,0) G7(13.18,0)
